# Altium PCB PCB_ControlCard.PcbDoc (part 3 of 4)
Units mm, origin at the board's own origin, x right, y up, seen from the top; angles counter-clockwise.
Board outline 116 x 133 mm, 4 copper layers (Top Layer, Inner 1, Inner 2, Bottom Layer), stack 1.492 mm thick; 342 components, 234 nets, 1133 pads, 996 vias.
Unrouted connection lines stored in the file: 23.
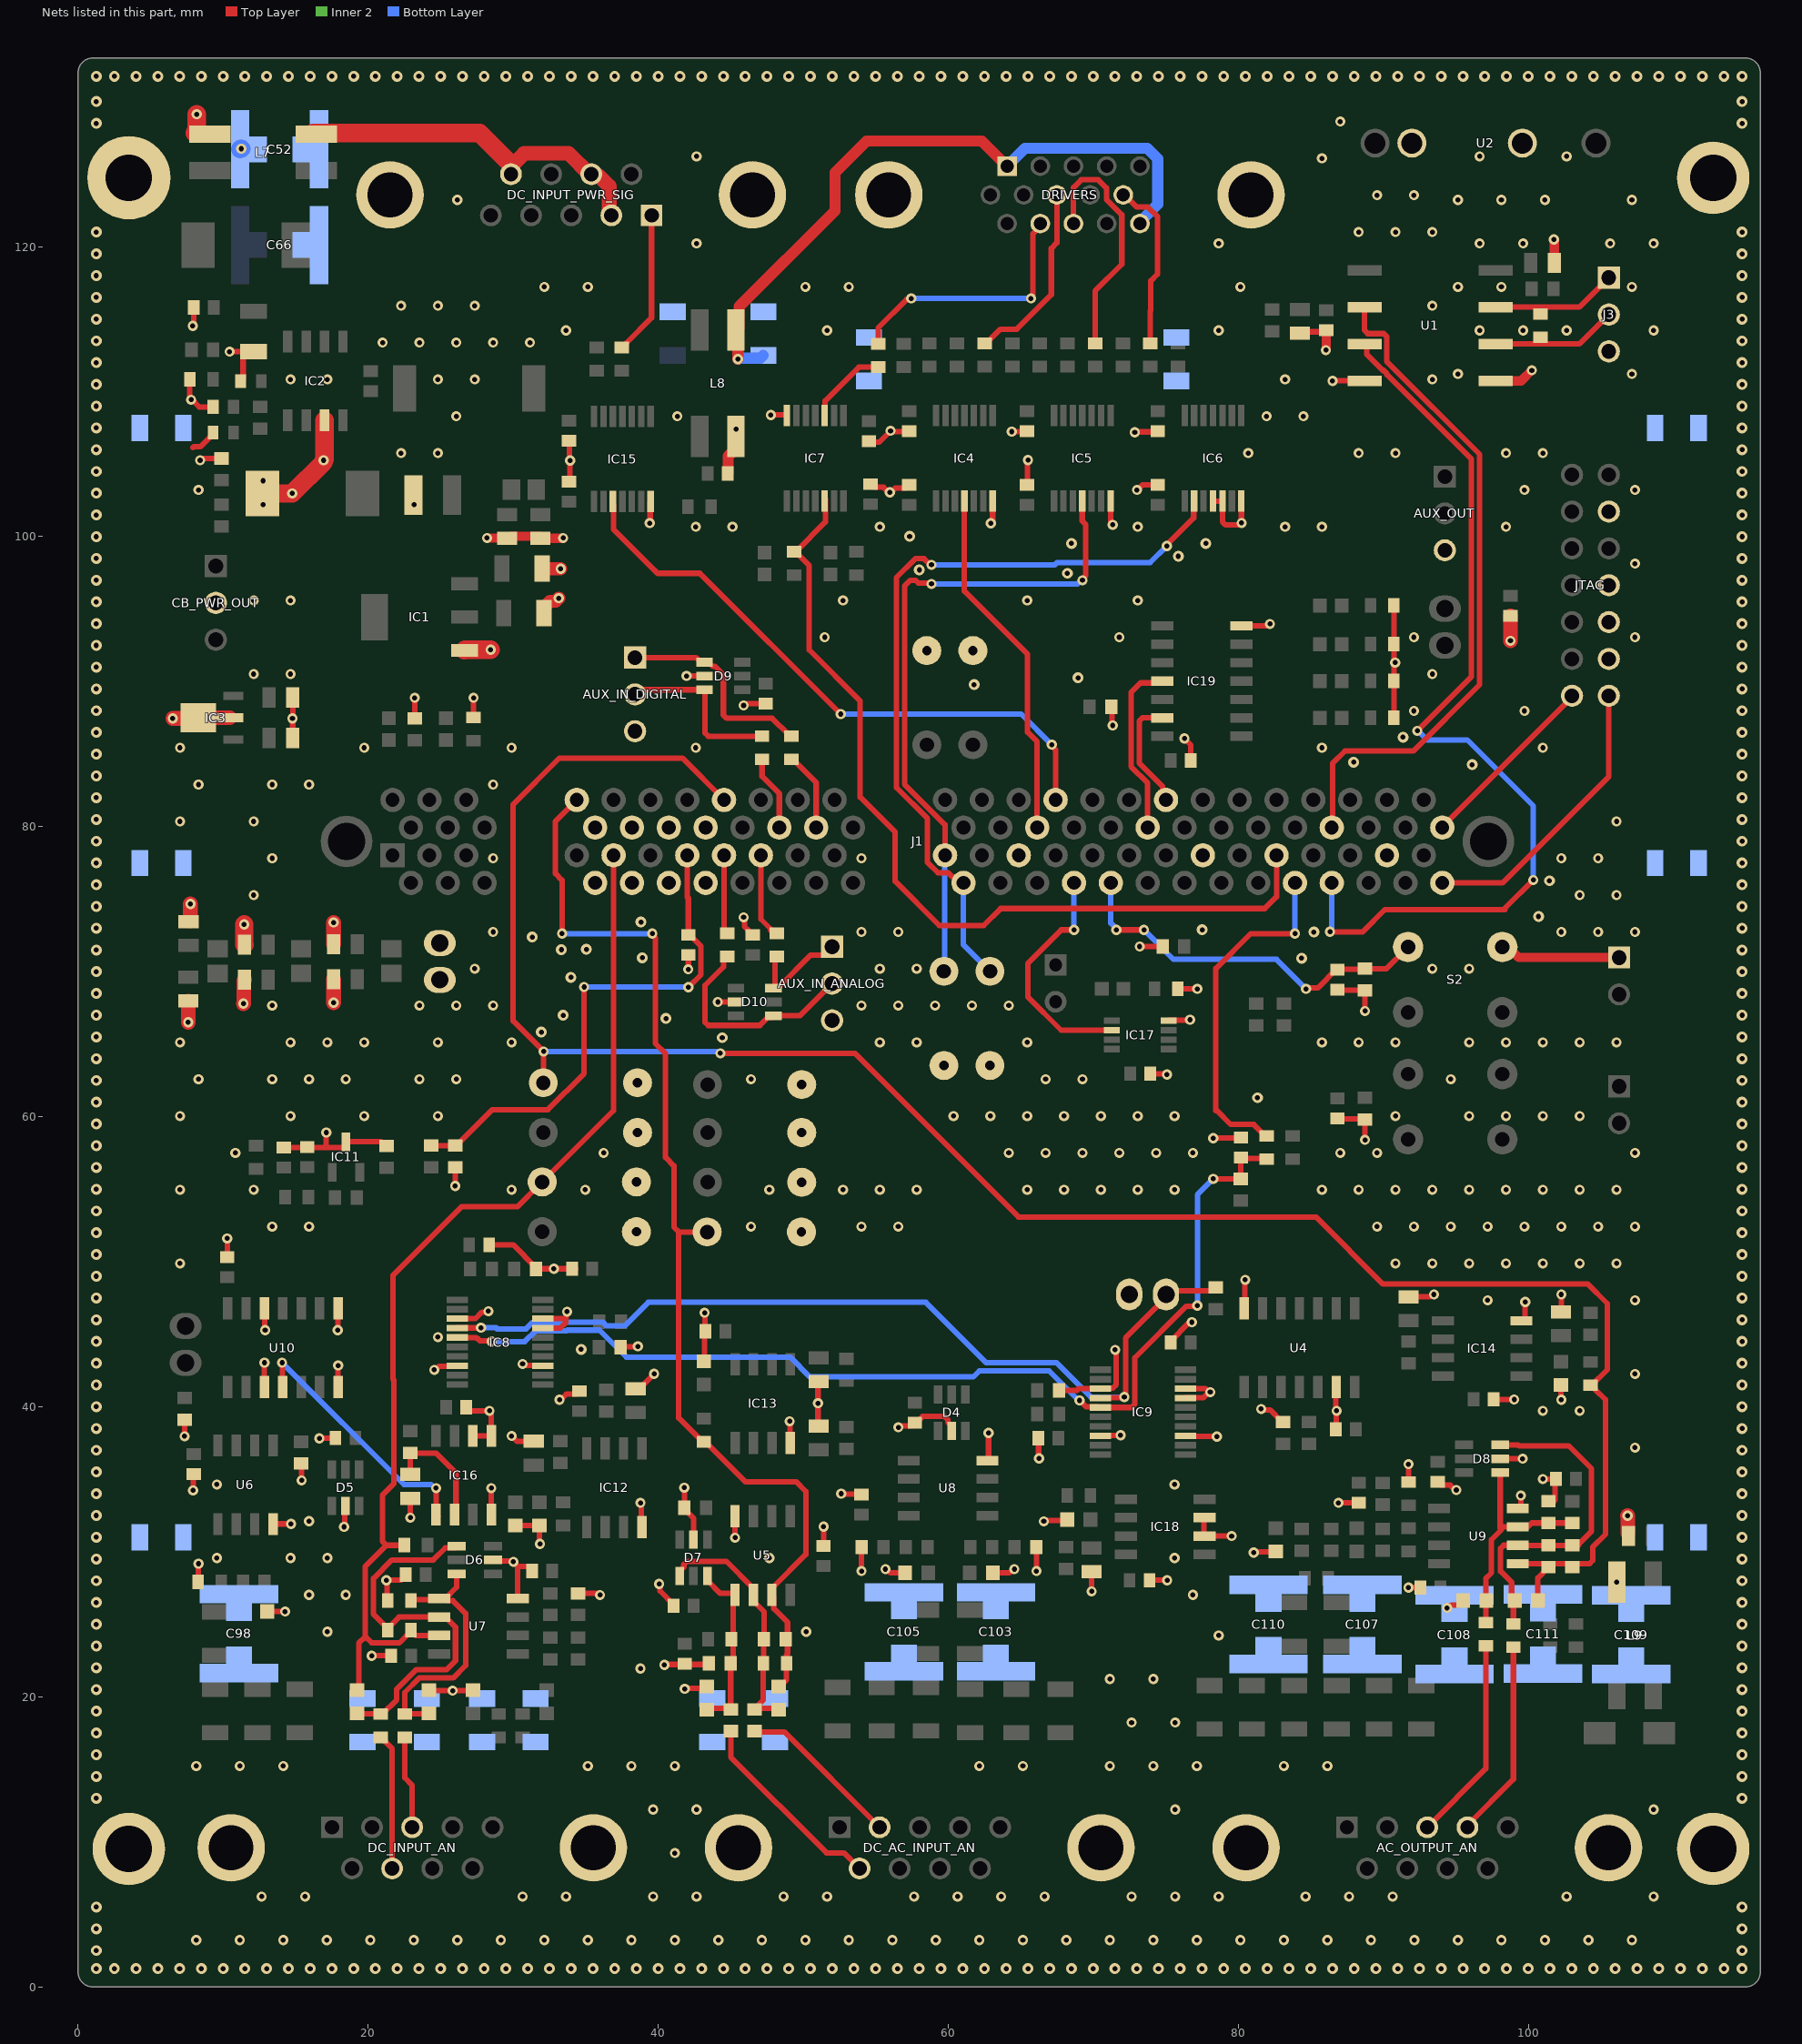
[diagram p5: the nets of this part, all layers, seen from the top]

## Via types
v1: diameter 0.75, hole 0.35, Top Layer to Bottom Layer, tented top, 338 vias
v2: diameter 0.7, hole 0.35, Top Layer to Bottom Layer, tented top, 333 vias
v3: diameter 0.7, hole 0.35, Top Layer to Bottom Layer, tented both sides, 325 vias

## Nets (pads, with @x,y where several pads share a name; then routed paths per layer and width w, separated by ;. In a path a pad name is that pad's centre, name@x,y a point inside that pad or via, vN(x,y) a via of type N, cw(c..) or ccw(c..) an arc to the next point about the centre after c; other vN are vias at no path point) (continued)
AGND: AUX_IN_ANALOG.3 AUX_IN_DIGITAL.3 AUX_OUT.3 C1.1 C2.1 C4.1 C5.1 C6.2 C7.1 C8.2 C9.2 C10.2 C11.2 C12.2 C13.2 C14.1 C15.1 C16.2 C17.2 C19.2 C20.2 C21.2 C24.2 C25.1 C26.1 C27.2 C28.2 C29.2 C31.2 C32.2 C33.2 C34.2 C35.2 C36.2 C37.2 C38.2 C39.2 C41.2 C42.2 C43.2 C44.2 C45.2 C46.1 C47.2 C48.2 C49.2 C50.2 C51.2 C52.1 C53.2 C54.2 C55.2 C56.2 C57.2 C58.2 C59.2 C60.2 C61.2 C62.2 C63.2 C64.2 C65.2 C67.2 C68.2 C69.1 C70.2 C71.2 C72.2 C73.2 C74.2 C75.2 C76.2 C77.2 C78.1 C79.1 C80.2 C81.2 C82.2 C83.2 C84.2 C85.2 C86.2 C87.2 C88.2 C89.2 C90.2 C91.2 C92.2 C93.2 C94.2 C95.2 C96.1 C97.1 C98.1 C99.1 C100.1 C101.1 C102.1 C103.1 C104.1 C105.1 C106.1 C107.1 C108.1 C109.1 C110.1 C111.1 C112.1 C114.1 C115.1 C116.1 C117.1 C120.1 C121.1 C122.2 CB_PWR_OUT.2 D3.2 D4.2 D5.2 D6.2 D7.2 D8.2 D9.2 D10.2 GND_JUMP.1 GND_JUMP.2 IC1.1 IC2.7 IC3.2 IC3.4 IC4.7 IC5.7 IC6.4 IC6.5 IC6.7 IC7.7 IC8.3 IC8.7 IC8.8 IC8.13 IC8.18 IC9.3 IC9.7 IC9.8 IC9.13 IC9.18 IC11.3 IC12.4 IC13.4 IC14.4 IC15.7 IC16.4 IC16.5 IC16.6 IC17.4 IC18.2 IC18.3 IC19.7 J1.8 J1.10 J1.12 J1.14 J1.27 J1.37 J1.47 J1.58 J1.60 J1.62 J1.64 JTAG.4 JTAG.8 JTAG.10 JTAG.12 L7.3 L8.4 L9.4 R11.1 R19.1 R25.2 R30.1 R36.2 R37.1 R39.1 R52.1 R60.1 R77.2 R78.2 R79.2 R80.2 R83.2 R87.2 R89.2 R101.1 R106.1 R107.1 R108.2 R111.1 R112.1 R113.1 R119.1 R120.2 R132.2 TP_HS1.2 TP_HS2.2 TP_IAC.2 TP_IBRDG.2 TP_IIN.2 TP_IL1.2 TP_LS1.2 TP_LS2.2 TP_VAC.2 TP_VC1.2 TP_VC1_2.2 TP_VIN.2 U1.4 U2.2 U4.7 U4.13 U5.4 U6.4 U7.4 U8.4 U9.4 U10.3 U10.7 U10.8 U10.12 WP.2 | length 277
  Top Layer w0.381: R83.2@7.334,39.112 7.335,39.111 7.335,37.968 v2(7.337,37.966) ; R39.1@7.703,110.855 7.684,110.836 7.684,109.638 7.794,109.528 v2(7.794,109.442) 7.856,109.442 8.348,108.95 9.301,108.95 C12.2@9.31,108.959 ; v2(7.906,114.537) 7.928,114.559 7.928,114.562 7.978,114.612 C9.2@7.978,115.808 ; v2(7.921,34.233) 7.945,34.257 7.945,35.338 C83.2@7.969,35.362 ; 7.921,106.14 7.982,106.201 8.425,106.201 9.3,107.076 C13.2@9.3,107.181 ; R101.1@8.264,27.908 8.283,27.927 8.283,29.159 v2(8.302,29.178) ; v2(8.414,105.267) 8.5,105.267 8.625,105.391 R37.1@9.883,105.391 ; C74.2@10.28,50.306 10.282,50.307 v2(10.283,51.606) v2(10.283,51.606) ; v2(10.446,112.76) 10.45,112.764 C5.1@11.709,112.764 ; C11.2@11.335,110.855 11.378,110.897 11.378,112.433 C5.1@11.709,112.764 ; C5.1@12.097,112.767 12.094,112.764 C5.1@11.709,112.764 ; U10.3@12.846,41.357 v2(12.846,43.037) ; U10.12@12.846,46.781 12.873,46.754 12.873,45.308 v2(12.899,45.282) ; C20.2@13.039,25.876 v2(14.271,25.876) ; U6.4@13.446,31.907 13.46,31.921 v2(14.677,31.921) v2@14.727,31.921 ; C81.2@14.065,58.023 14.203,57.885 17.113,57.885 ; v2(14.779,87.471) 14.794,87.456 14.794,86.13 C17.2@14.809,86.115 ; v2@14.809,87.553 C16.2@14.809,88.84 ; R107.1@15.386,36.08 15.4,36.066 15.4,34.932 v2(15.414,34.918) ; v2(16.633,37.814) 16.649,37.83 17.728,37.83 C89.2@17.744,37.846 ; v2(17.113,58.912) 17.113,57.885 ; v2(17.903,45.282) 17.915,45.293 17.915,46.77 U10.8@17.926,46.781 ; U10.7@17.926,41.357 17.927,41.358 v2(17.929,42.843) v2(17.929,42.843) ; v2(18.335,31.718) 18.385,31.768 18.385,33.118 D5.2@18.434,33.167 ; v2(20.24,22.828) C75.2@21.582,22.828 ; R87.2@21.304,57.896 21.263,57.896 20.888,58.271 IC11.3@18.469,58.271 18.469,57.995 18.36,57.885 17.113,57.885 ; R30.1@21.345,26.638 21.301,26.682 21.301,27.991 v2(21.256,28.035) 22.272,28.035 22.348,28.112 22.383,28.112 22.653,28.381 C88.2@22.653,28.416 ; v2(22.907,32.353) C63.2@22.907,33.692 ; C4.1@23.134,102.858 23.134,102.23 v2(23.161,102.203) ; R112.1@23.209,87.475 v2(23.209,88.884) ; C21.2@24.177,20.453 24.196,20.434 25.809,20.434 v2(25.828,20.415) 25.847,20.434 27.206,20.434 C26.1@27.225,20.415 ; v2(24.558,42.546) 24.644,42.546 24.889,42.79 26.13,42.79 IC8.18@26.164,42.825 ; v2(26.003,55.229) R132.2@26.003,56.511 ; IC8.13@26.164,46.075 26.169,46.08 27.395,46.08 27.847,46.532 28.228,46.532 v2(28.289,46.593) ; C24.2@26.987,39.719 v2(28.368,39.719) 28.368,39.633 28.495,39.506 28.495,38.047 28.556,37.986 IC16.5@28.495,37.986 IC16.6@27.247,37.986 ; R113.1@27.273,87.525 v2(27.273,88.884) ; C59.2@28.344,51.165 30.003,51.165 31.579,49.589 R78.2@31.579,49.514 v2(32.81,49.514) ; v2(28.495,34.385) 28.495,32.661 IC16.4@28.594,32.562 ; D6.2@28.602,29.432 28.668,29.366 29.958,29.366 v2(30.019,29.305) 30.318,29.006 ; v2(29.892,37.985) 29.896,37.985 30.263,37.618 C72.2@31.416,37.618 ; C44.2@30.146,31.807 C45.2@31.797,31.807 ; U7.4@30.318,26.765 30.318,29.006 ; v2(30.652,42.952) 30.738,42.952 30.83,42.86 32.006,42.86 IC8.3@32.04,42.825 ; C94.2@31.306,28.686 31.306,28.76 31.091,28.975 30.349,28.975 30.318,29.006 ; v2(31.849,30.54) 31.823,30.566 31.823,31.781 C45.2@31.797,31.807 ; C45.2@31.924,31.845 31.886,31.807 C45.2@31.797,31.807 ; IC8.7@32.04,45.425 33.252,45.425 33.613,45.786 33.613,46.107 ; IC8.8@32.04,46.075 33.581,46.075 33.613,46.107 ; v2@32.861,49.514 C61.2@34.076,49.514 C61.2@34.33,49.514 ; v2(33.194,40.481) 33.28,40.481 33.661,40.862 34.349,40.862 C27.2@34.563,41.076 ; v2(33.715,46.559) 33.653,46.498 33.653,46.148 33.613,46.107 ; C38.2@33.846,106.609 33.885,106.569 33.885,105.291 v2(33.925,105.251) ; v2@33.91,105.267 33.91,103.934 C37.2@34.1,103.743 ; R36.2@34.464,27.134 35.787,27.134 35.902,27.019 v2(35.988,27.019) ; R77.2@37.42,44.104 37.45,44.134 38.574,44.134 v2(38.604,44.164) ; C67.2@38.448,41.241 38.688,41.241 39.719,42.272 v2(39.719,42.275) ; v2(38.782,33.369) 38.832,33.319 38.832,31.754 IC12.4@38.881,31.705 ; v2(39.417,100.933) 39.448,100.964 39.448,102.39 IC15.7@39.479,102.421 ; v2(40.068,27.78) 40.129,27.719 40.129,27.295 41.061,26.363 C86.2@41.061,26.273 ; v2(40.433,22.193) 40.469,22.229 41.794,22.229 C95.2@41.83,22.265 41.866,22.229 43.318,22.229 R11.1@43.354,22.193 ; v2(41.802,34.417) 41.808,34.411 41.808,33.026 R106.1@41.814,33.02 ; v2(41.83,20.542) 41.863,20.575 43.322,20.575 C25.1@43.354,20.607 ; R106.1@41.866,32.893 42.437,32.322 D7.2@42.437,30.841 ; v2(41.957,90.392) D9.2@43.197,90.392 ; v2(42.077,70.166) 42.081,70.17 42.081,71.156 C93.2@42.084,71.16 ; C50.2@43.147,43.126 43.209,43.188 43.209,45.202 C34.2@43.199,45.212 ; v2(43.199,46.482) 43.235,46.446 43.235,45.248 C34.2@43.271,45.212 ; v2(44.116,67.913) D10.2@45.356,67.913 ; U5.4@45.299,32.456 45.303,32.452 45.303,30.976 v2(45.307,30.972) ; v2(45.894,73.755) 45.955,73.694 45.955,73.114 46.224,72.845 46.224,72.755 46.439,72.54 C122.2@46.529,72.54 ; v2(45.894,88.36) 45.98,88.36 46.107,88.487 C6.2@47.418,88.487 ; v2(47.771,108.391) 48.846,108.391 48.88,108.357 IC7.7@48.88,108.351 ; v2(49.069,39.001) 49.093,38.977 49.093,37.536 IC13.4@49.116,37.512 ; C64.2@51.073,38.666 51.022,38.717 v2(51.022,40.243) 51.022,41.605 C71.2@51.073,41.656 ; C80.2@51.403,30.392 v2(51.403,31.734) ; v2(52.625,34.004) 52.661,33.968 53.986,33.968 C77.2@54.022,33.932 ; v2(54.022,28.67) 54.028,28.676 54.028,30.315 R108.2@54.034,30.321 ; C58.2@54.323,106.521 55.248,106.521 v2(56.026,107.299) ; C57.2@54.64,103.618 54.855,103.403 55.543,103.403 55.848,103.098 v2@55.848,102.981 ; v2(55.673,28.797) 55.759,28.797 56.013,28.543 C29.2@57.032,28.543 ; v2(55.975,103.057) 56.061,103.057 56.352,103.348 57.093,103.348 C42.2@57.307,103.563 ; v2@56.026,107.235 57.207,107.235 C43.2@57.245,107.197 ; v2(56.562,38.576) 56.648,38.576 56.76,38.687 57.49,38.687 C84.2@57.705,38.902 ; C84.2@57.75,38.857 58.228,39.335 59.748,39.335 59.963,39.12 59.963,38.949 60.245,38.667 D4.2@60.245,38.342 ; U8.4@62.703,36.29 62.785,36.372 v2(62.785,38.195) ; v2(62.942,100.921) 62.942,101.008 63.067,101.133 IC4.7@63.067,102.475 ; C28.2@63.077,28.543 64.223,28.543 64.477,28.797 v2(64.563,28.797) ; v2(64.379,107.243) 64.389,107.253 65.425,107.253 C48.2@65.435,107.263 ; C47.2@65.435,103.563 65.468,103.595 65.468,105.246 v2(65.5,105.279) ; R89.2@66.075,30.321 66.081,30.315 66.081,28.676 v2(66.087,28.67) ; C60.2@66.207,37.83 66.235,37.802 66.235,36.461 v2(66.262,36.433) ; v2(66.595,32.099) 66.656,32.16 68.142,32.16 C90.2@68.208,32.226 ; R80.2@67.647,41.132 68.87,41.132 68.987,41.249 IC9.13@70.487,41.249 70.501,41.249 IC9.13@70.532,41.218 ; v2(69.897,27.273) C70.2@69.897,28.612 ; IC9.18@70.487,37.999 70.508,38.02 71.866,38.02 v2(71.887,38.04) ; IC9.13@70.494,41.256 70.522,41.284 71.355,41.284 71.593,41.521 71.593,43.76 71.513,43.84 v2(71.513,43.926) ; IC5.7@71.195,102.475 71.195,101.055 71.342,100.908 v2(71.342,100.822) ; R60.1@71.254,88.265 71.298,88.221 71.298,87.023 v2(71.342,86.979) ; v2(72.866,107.192) 72.901,107.227 74.417,107.227 C55.2@74.452,107.263 ; v2(73.018,103.223) 73.049,103.223 73.389,103.563 C53.2@74.452,103.563 ; v2(73.203,71.739) R120.2@74.783,71.739 ; C46.1@73.889,28.035 v2(75.104,28.035) ; C54.2@73.937,62.976 73.969,62.944 75.057,62.944 v2(75.089,62.913) ; IC17.4@75.197,66.618 75.232,66.653 75.748,66.653 75.754,66.659 76.649,66.659 v2(76.676,66.686) ; C62.2@75.351,44.434 75.351,44.524 76.597,45.77 76.742,45.77 v2(76.803,45.831) ; R119.1@75.825,68.818 v2(77.177,68.818) ; IC9.8@76.027,41.259 77.733,41.259 v2@77.987,41.005 ; v2(76.295,86.09) 76.295,86.069 76.731,85.633 C92.2@76.731,84.566 ; IC9.3@76.363,37.999 76.392,37.97 78.504,37.97 v2(78.533,37.941) ; IC9.7@76.363,40.599 76.398,40.634 77.615,40.634 v2@77.987,41.005 ; IC18.3@77.644,32.353 77.644,31.128 IC18.2@77.689,31.083 v2(79.549,31.083) ; v2(78.072,41.007) 77.988,41.007 v2@77.987,41.005 ; IC6.4@78.262,102.475 78.28,102.457 IC6.5@78.912,102.457 ; v2(78.279,58.515) 78.307,58.543 80.156,58.543 C65.2@80.184,58.57 ; IC6.5@78.912,102.475 IC6.5@78.912,102.457 ; IC6.7@80.212,102.475 80.222,102.465 80.222,100.959 v2(80.232,100.949) ; IC19.7@80.214,93.853 81.975,93.853 82.102,93.98 v2(82.188,93.98) ; v2@80.311,100.806 79.135,100.806 78.912,101.029 IC6.5@78.912,102.457 ; U4.7@80.41,46.781 80.448,46.819 80.448,48.714 v2(80.486,48.752) ; v2(81.073,29.94) 81.118,29.985 82.553,29.985 C35.2@82.597,30.029 ; v2(81.581,39.846) 81.642,39.785 82.19,39.785 83.03,38.945 R79.2@83.105,38.945 ; C41.2@84.245,114.023 84.348,114.126 85.916,114.126 C39.2@85.947,114.157 ; v2(86.506,110.744) U1.4@88.712,110.744 ; C56.2@86.733,38.449 86.76,38.477 86.76,39.572 86.781,39.592 v2@86.788,39.592 ; v2@86.735,39.506 86.735,41.331 U4.13@86.76,41.357 ; C49.2@86.836,59.873 86.866,59.843 88.445,59.843 R52.1@88.608,59.68 ; C91.2@86.836,68.763 86.866,68.733 R111.1@88.529,68.733 ; v2(86.915,33.369) C36.2@88.312,33.369 ; v2(88.741,58.404) R52.1@88.741,59.813 ; v2(88.741,67.294) R111.1@88.741,68.703 ; v2(91.741,27.527) C76.2@92.575,27.527 ; R25.2@91.741,34.804 v2(91.741,36.036) ; C68.2@91.75,47.57 91.758,47.578 93.25,47.578 93.414,47.742 v2(93.5,47.742) ; C87.2@93.75,34.81 93.965,34.595 94.619,34.595 94.957,34.258 v2(95.043,34.258) ; v2(94.408,26.13) 94.494,26.13 94.693,26.328 95.228,26.328 95.513,26.613 C85.2@95.513,26.638 ; C19.2@97.61,40.513 97.618,40.505 99.02,40.505 v2(99.028,40.497) ; D8.2@98.071,36.417 v2(99.615,36.417) ; v2(99.488,33.877) 99.488,33.033 U9.4@99.533,32.988 ; IC14.4@99.724,45.922 99.79,45.988 v2(99.79,47.228) ; v2(101.012,35.02) C33.2@101.901,35.02 ; R19.1@101.083,33.719 R19.1@101.355,33.447 ; R19.1@101.774,33.484 101.846,33.556 101.846,34.838 C33.2@101.901,34.893 ; C73.2@102.014,46.54 C73.2@102.254,46.54 102.282,46.568 v2(102.282,47.742) ; C51.2@102.254,41.491 102.268,41.477 102.268,40.495 v2(102.282,40.481) ; C7.1@106.914,31.074 C7.1@106.923,31.083
  Top Layer w0.635: v2(28.194,99.913) 28.205,99.902 29.58,99.902 C14.1@29.591,99.891 ; C14.1@29.914,100.018 C15.1@31.877,100.018 ; C15.1@31.877,99.891 v2@33.441,99.891 ; v2(86.049,112.862) 86.049,112.879 86.074,112.905 C39.2@86.074,114.157
  Top Layer w0.762: C32.2@44.806,104.362 44.83,104.386 44.83,105.549 45.386,106.105 L8.4@45.386,106.267
  Top Layer w0.889: C8.2@31.997,97.79 v2(33.274,97.79) ; C10.2@32.124,94.742 32.124,95.127 32.543,95.546 32.935,95.546 v2(33.147,95.758)
  Top Layer w1.016: v2(6.524,87.471) 8.232,87.471 IC3.4@8.274,87.512 ; v2(7.591,66.516) C97.1@7.591,67.982 ; C96.1@7.743,73.51 v2(7.743,74.669) ; IC3.4@8.401,87.512 IC3.2@10.449,87.512 ; v2(11.398,67.802) 11.414,67.818 11.414,69.4 C2.1@11.467,69.453 ; C79.1@17.607,69.472 17.621,69.458 v2(17.621,67.868) ; C78.1@17.607,71.885 17.621,71.899 v2(17.621,73.39) ; v2(98.774,92.821) C31.2@98.774,94.544 ; v2(106.854,32.48) 106.87,32.464 C7.1@106.87,31.27
  Top Layer w1.27: L7.3@8.056,127.837 8.14,127.837 8.175,127.872 v2(8.175,129.127) ; v2(11.449,73.263) 11.449,71.884 C1.1@11.467,71.866 ; v2(12.747,102.203) 12.711,102.239 D3.2@12.711,102.981 v2(14.764,102.981) 16.923,105.14 v2(16.923,105.267) 16.995,105.339 IC2.7@16.995,108.025 ; IC1.1@26.638,92.158 26.682,92.202 v2(28.448,92.202)
  Inner 2 w0.381: v2(26.003,55.229) v2@26.003,55.356
  Bottom Layer w1.27: C52.1@11.17,126.714 11.206,126.75 v2(11.25,126.75)
  other v1: 34.693,43.961 81.327,61.309 44.421,65.449 31.949,65.83 40.541,66.77 33.448,66.999 33.981,69.615 84.375,70.936 38.909,70.961 33.321,71.52 35.048,71.545 31.314,72.383 85.213,72.739 77.517,72.891 38.807,73.425 100.707,73.806 101.469,76.27 96.135,84.271 87.956,84.448 91.36,86.176 61.787,89.79 68.957,90.265 68.221,97.472 58.014,97.709 75.866,98.647 68.5,99.536 77.771,99.536 57.342,100.026
  other v2: 106.092,27.908 86.788,39.719 33.444,99.913 12.747,103.854 45.386,107.41
  other v3: 38.779,21.944 17.189,24.484 50.209,24.484 15.919,27.024 18.459,27.024 76.879,27.024 9.569,29.564 14.649,29.564 17.189,29.564 47.669,29.564 75.609,29.564 15.919,32.104 9.569,34.644 75.609,34.644 107.359,37.184 101.009,39.724 103.549,39.724 107.359,42.264 24.809,44.804 97.199,47.344 107.359,47.344 7.029,49.884 90.849,49.884 93.389,49.884 95.929,49.884 98.469,49.884 101.009,49.884 103.549,49.884 106.089,49.884 13.379,52.424 15.919,52.424 46.399,52.424 54.019,52.424 56.559,52.424 89.579,52.424 92.119,52.424 94.659,52.424 97.199,52.424 99.739,52.424 102.279,52.424 104.819,52.424 107.359,52.424 7.029,54.964 12.109,54.964 29.889,54.964 34.969,54.964 47.669,54.964 52.749,54.964 55.289,54.964 57.829,54.964 65.449,54.964 67.989,54.964 70.529,54.964 73.069,54.964 75.609,54.964 85.769,54.964 88.309,54.964 90.849,54.964 93.389,54.964 95.929,54.964 98.469,54.964 101.009,54.964 103.549,54.964 106.089,54.964 10.839,57.504 36.239,57.504 64.179,57.504 66.719,57.504 69.259,57.504 71.799,57.504 74.339,57.504 76.879,57.504 87.039,57.504 89.579,57.504 107.359,57.504 7.029,60.044 14.649,60.044 19.729,60.044 24.809,60.044 60.369,60.044 62.909,60.044 65.449,60.044 67.989,60.044 70.529,60.044 73.069,60.044 75.609,60.044 90.849,60.044 95.929,60.044 98.469,60.044 101.009,60.044 103.549,60.044 8.299,62.584 13.379,62.584 15.919,62.584 18.459,62.584 23.539,62.584 26.079,62.584 46.399,62.584 66.719,62.584 69.259,62.584 94.659,62.584 7.029,65.124 14.649,65.124 17.189,65.124 19.729,65.124 24.809,65.124 29.889,65.124 55.289,65.124 57.829,65.124 65.449,65.124 85.769,65.124 88.309,65.124 90.849,65.124 95.929,65.124 98.469,65.124 101.009,65.124 103.549,65.124 106.089,65.124 13.379,67.664 23.539,67.664 26.079,67.664 28.619,67.664 54.019,67.664 56.559,67.664 59.099,67.664 61.639,67.664 64.179,67.664 27.349,70.204 55.289,70.204 57.829,70.204 93.389,70.204 95.929,70.204 28.619,72.744 54.019,72.744 56.559,72.744 102.279,72.744 104.819,72.744 107.359,72.744 12.109,75.284 103.549,75.284 106.089,75.284 13.379,77.824 28.619,77.824 54.019,77.824 102.279,77.824 104.819,77.824 7.029,80.364 12.109,80.364 106.089,80.364 8.299,82.904 13.379,82.904 15.919,82.904 28.619,82.904 7.029,85.444 19.729,85.444 29.889,85.444 42.589,85.444 85.769,85.444 101.009,85.444 92.119,87.984 99.739,87.984 12.109,90.524 14.649,90.524 93.389,90.524 51.479,93.064 71.799,93.064 92.119,93.064 107.359,93.064 12.109,95.604 14.649,95.604 52.749,95.604 65.449,95.604 73.069,95.604 107.359,98.144 42.589,100.684 45.129,100.684 55.289,100.684 73.069,100.684 83.229,100.684 85.769,100.684 98.469,100.684 8.299,103.224 99.739,103.224 107.359,103.224 22.269,105.764 24.809,105.764 80.689,105.764 88.309,105.764 90.849,105.764 98.469,105.764 101.009,105.764 26.079,108.304 41.319,108.304 81.959,108.304 84.499,108.304 14.649,110.844 17.189,110.844 24.809,110.844 27.349,110.844 83.229,110.844 93.389,110.844 20.999,113.384 23.539,113.384 26.079,113.384 28.619,113.384 31.159,113.384 22.269,115.924 24.809,115.924 27.349,115.924 93.389,115.924 88.309,121.004 90.849,121.004 93.389,121.004 89.579,123.544 92.119,123.544 85.769,126.084 87.039,128.624
AN_VREF_FB: C93.1 J1.13 R131.2 R132.1 | length 35.3
  Top Layer w0.381: R131.2@24.352,58.011 R132.1@25.761,58.011 ; R132.1@26.003,58.011 26.078,58.011 28.551,60.484 32.401,60.484 34.893,62.976 v2(34.893,68.945) ; J1.13@42.004,78.029 42.004,75.132 42.084,75.053 C93.1@42.084,72.54 ; v2(42.084,68.929) 42.947,69.792 42.947,71.767 C93.1@42.229,72.485
  Bottom Layer w0.381: v2(34.893,68.945) 34.901,68.937 42.076,68.937 v2(42.084,68.929)
AUX_IN_1: J1.70 R68.1 | length 5.4
  Top Layer w0.381: R68.1@49.196,84.55 49.385,84.55 50.894,83.041 J1.70@50.894,79.939
AUX_IN_2: J1.68 R73.1 | length 5.1
  Top Layer w0.381: R73.1@47.164,84.55 47.164,83.47 48.354,82.28 J1.68@48.354,79.939
AUX_IN_AN_1: J1.17 R105.1 | length 5.6
  Top Layer w0.381: J1.17@47.037,77.819 47.084,77.772 47.084,73.619 47.743,72.96 47.743,72.86 47.953,72.65 R105.1@48.053,72.65
AUX_IN_AN_2: J1.15 R121.1 | length 5.4
  Top Layer w0.381: J1.15@44.497,77.819 44.544,77.772 44.544,72.86 44.712,72.692 R121.1@44.854,72.692
AUX_IN_AN_RAW_1: AUX_IN_ANALOG.1 D10.6 R105.2 | length 7
  Top Layer w0.381: R105.2@47.926,71.088 48.053,70.961 D10.6@48.053,68.96 ; D10.6@48.307,68.929 48.307,68.939 50.517,71.149 51.416,71.149 AUX_IN_ANALOG.1@51.99,71.723
AUX_IN_AN_RAW_2: AUX_IN_ANALOG.2 D10.4 R121.2 | length 14.9
  Top Layer w0.381: R121.2@44.751,71.007 44.68,71.007 44.513,70.84 44.513,70.342 43.227,69.056 43.227,66.518 43.45,66.295 47.013,66.295 47.571,66.854 47.847,66.854 D10.4@47.956,66.963 ; D10.4@48.241,66.963 49.77,66.963 AUX_IN_ANALOG.2@51.99,69.183
AUX_IN_RAW_1: AUX_IN_DIGITAL.1 D9.1 R68.2 | length 14.4
  Top Layer w0.381: AUX_IN_DIGITAL.1@38.401,91.662 42.602,91.662 42.856,91.408 D9.1@43.1,91.408 ; D9.1@43.197,91.342 43.472,91.342 43.754,91.06 43.925,91.06 44.497,90.488 44.497,87.694 44.72,87.471 47.864,87.471 49.007,86.328 R68.2@49.069,86.328
AUX_IN_RAW_2: AUX_IN_DIGITAL.2 D9.3 R73.2 | length 11.9
  Top Layer w0.381: AUX_IN_DIGITAL.2@38.401,88.995 38.585,88.995 39.032,89.442 D9.3@43.197,89.442 ; D9.3@43.227,89.376 43.227,86.462 43.45,86.239 R73.2@47.164,86.239
AUX_OUT_1: IC19.13 J1.85 | length 7.8
  Top Layer w0.381: IC19.13@74.695,87.503 73.394,87.503 73.171,87.28 73.171,84.388 74.776,82.783 74.776,82.092 J1.85@75.024,81.844
AUX_OUT_2: IC19.11 J1.84 | length 12.1
  Top Layer w0.381: J1.84@73.806,80.137 73.754,80.189 73.754,83.015 72.612,84.157 72.612,89.261 73.267,89.916 74.637,89.916 IC19.11@74.764,90.043
CAN-RX: J1.44 U1.3 | length 65.5
  Top Layer w0.381: v2(86.328,72.755) 88.587,72.755 90.111,74.279 98.393,74.279 98.393,74.371 v2(100.349,76.327) ; U1.3@88.712,113.284 88.851,113.145 88.851,112.586 89.975,111.462 90.04,111.462 90.255,111.247 90.255,111.182 96.082,105.355 96.082,90.348 v2(92.348,86.614)
  Bottom Layer w0.381: v2(86.328,72.755) 86.328,72.841 86.454,72.968 J1.44@86.454,76.124 ; v2(92.348,86.614) 92.388,86.614 93.019,85.982 95.795,85.982 100.349,81.428 v2(100.349,76.327)
CAN-TX: J1.94 U1.2 | length 46.8
  Top Layer w0.381: J1.94@86.454,79.939 86.518,80.002 86.518,84.381 87.357,85.22 92.069,85.22 96.64,89.792 96.64,105.686 90.255,112.071 90.255,113.787 90.04,114.002 88.935,114.002 88.712,114.225 U1.2@88.712,115.824
CANH: J3.1 R4.2 U1.7 | length 8.9
  Top Layer w0.381: U1.7@97.762,115.824 103.524,115.824 J3.1@105.556,117.856 105.683,117.983 J3.1@105.81,117.983
CANL: J3.2 R4.1 U1.6 | length 8.5
  Top Layer w0.381: U1.6@97.762,113.284 103.524,113.284 105.302,115.062 J3.2@105.302,115.316
CLEAR_BTN: C91.1 CLEAR_BTN_EXT.1 J1.32 R111.2 S2.1 | length 34.9
  Top Layer w0.381: v2(71.596,72.882) v2(73.501,72.882) ; v2(84.677,68.818) 84.738,68.879 85.482,68.879 86.776,70.173 R111.2@88.699,70.173 ; R111.2@88.741,70.203 90.214,70.203 91.623,71.612 S2.1@91.789,71.612
  Top Layer w0.635: S2.1@98.139,71.612 98.701,71.612 99.336,70.977 CLEAR_BTN_EXT.1@106.267,70.977
  Bottom Layer w0.381: J1.32@71.342,76.184 71.214,76.056 71.214,73.35 71.596,72.968 v2(71.596,72.882) ; v2(73.501,72.882) 75.533,70.85 82.645,70.85 v2(84.677,68.818)
CLR_FAULT: IC17.6 J1.30 | length 16.4
  Top Layer w0.381: v2(68.675,72.882) 67.797,72.882 65.5,70.585 65.5,68.252 67.784,65.968 IC17.6@71.297,65.968
  Bottom Layer w0.381: J1.30@68.421,75.93 68.675,75.676 v2@68.675,72.882
DC_IN_SW: IC15.3 J1.79 | length 42
  Top Layer w0.381: IC15.3@36.936,102.203 36.936,100.493 39.798,97.631 39.954,97.475 42.879,97.475 v2(52.59,87.764) ; v2(67.143,85.657) 67.143,85.571 67.404,85.31 J1.79@67.404,81.844
  Bottom Layer w0.381: v2(52.59,87.764) 65.036,87.764 v2(67.143,85.657)
DC_IN_SW_5V: DC_INPUT_PWR_SIG.1 R103.2 | length 10
  Top Layer w0.381: R103.2@37.5,113.05 37.6,113.05 37.81,113.26 37.81,113.36 39.544,115.094 DC_INPUT_PWR_SIG.1@39.544,122.158
DGND_RAW: DC_INPUT_PWR_SIG.2 DC_INPUT_PWR_SIG.7 DC_INPUT_PWR_SIG.9 L7.4 | length 25.9
  Top Layer w1.016: DC_INPUT_PWR_SIG.9@29.849,124.998 29.942,125.091 29.942,125.621 30.755,126.434 33.822,126.434 35.258,124.998 DC_INPUT_PWR_SIG.7@35.389,124.998 35.482,124.905 35.878,124.905 36.623,124.161 36.623,122.651 36.681,122.593 36.681,122.251 DC_INPUT_PWR_SIG.2@36.774,122.158
  Top Layer w1.27: L7.4@16.196,127.837 27.68,127.837 28.907,126.61 29.805,125.712 29.805,125.042 DC_INPUT_PWR_SIG.9@29.849,124.998
DPOT_RESET: C65.1 IC8.15 IC9.15 R54.1 R61.2 | length 73.1
  Top Layer w0.381: IC8.15@26.164,44.775 27.44,44.775 27.531,44.684 27.572,44.684 27.7,44.555 28.459,44.555 v2(28.52,44.494) ; v2(69.056,40.437) 69.075,40.437 69.523,39.989 IC9.15@70.326,39.989 ; IC9.15@70.487,39.949 72.643,39.949 72.866,40.172 72.866,43.37 76.438,46.941 77.151,46.941 v2(77.184,46.974) ; v2(78.279,55.721) 78.285,55.715 R61.2@80.178,55.715 ; C65.1@79.93,57.372 C65.1@80.148,57.154 ; R61.2@80.184,55.709 C65.1@80.184,57.118 ; C65.1@80.184,57.19 80.239,57.135 81.818,57.135 R54.1@81.835,57.118
  Bottom Layer w0.381: v2(28.52,44.494) 30.802,44.494 31.537,45.229 33.688,45.229 33.741,45.282 35.95,45.282 37.814,43.418 49.097,43.418 50.45,42.065 61.734,42.065 62.142,42.474 66.953,42.474 68.989,40.437 v2(69.056,40.437) ; v2(77.184,46.974) 77.184,54.626 v2(78.279,55.721)
DPOT_RESET_CLEAN: J1.42 R54.2 | length 23.9
  Top Layer w0.381: 78.454,60.42 78.454,70.215 80.867,72.628 v2(83.915,72.628) ; 78.533,60.42 79.484,59.469 81.073,59.469 81.862,58.68 R54.2@81.962,58.68
  Bottom Layer w0.381: v2@83.915,72.628 83.915,75.93 J1.42@84.042,76.057
DPOT_WP: IC8.14 IC9.14 R74.2 WP.1 | length 63.4
  Top Layer w0.381: IC8.14@26.164,45.425 26.177,45.438 27.769,45.438 v2(27.781,45.45) ; IC9.14@70.487,40.599 70.521,40.633 72.114,40.633 v2(72.148,40.667) ; v2@72.095,40.633 72.129,40.599 72.231,40.701 72.231,44.742 75.025,47.536 WP.1@75.025,47.736 75.287,47.998 78.208,47.998 R74.2@78.454,48.244
  Bottom Layer w0.381: v2(27.781,45.45) 28.82,45.45 28.904,45.367 30.884,45.367 31.305,45.787 33.457,45.787 33.51,45.84 36.182,45.84 36.445,45.577 37.687,45.577 39.31,47.2 58.455,47.2 62.623,43.032 67.477,43.032 69.842,40.667 v2(72.148,40.667)
EARTH: AC_OUTPUT_AN.MH1 AC_OUTPUT_AN.MH2 C52.2 C66.2 C69.2 C98.2 C99.2 C100.2 C101.2 C102.2 C103.2 C104.2 C105.2 C106.2 C107.2 C108.2 C109.2 C110.2 C111.2 C112.2 C114.2 C115.2 C116.2 C117.2 C118.2 C119.2 C120.2 C121.2 DC_AC_INPUT_AN.MH1 DC_AC_INPUT_AN.MH2 DC_INPUT_AN.MH1 DC_INPUT_AN.MH2 DC_INPUT_PWR_SIG.MH1 DC_INPUT_PWR_SIG.MH2 DRIVERS.MH1 DRIVERS.MH2 pad.2
  other v1: 1.25,1.25 2.5,1.25 4,1.25 5.5,1.25 7,1.25 8.5,1.25 10,1.25 11.5,1.25 13,1.25 14.5,1.25 16,1.25 17.5,1.25 19,1.25 20.5,1.25 22,1.25 23.5,1.25 25,1.25 26.5,1.25 28,1.25 29.5,1.25 31,1.25 32.5,1.25 34,1.25 35.5,1.25 37,1.25 38.5,1.25 40,1.25 41.5,1.25 43,1.25 44.5,1.25 46,1.25 47.5,1.25 49,1.25 50.5,1.25 52,1.25 53.5,1.25 55,1.25 56.5,1.25 58,1.25 59.5,1.25 61,1.25 62.5,1.25 64,1.25 65.5,1.25 67,1.25 68.5,1.25 70,1.25 71.5,1.25 73,1.25 74.5,1.25 76,1.25 77.5,1.25 79,1.25 80.5,1.25 82,1.25 83.5,1.25 85,1.25 86.5,1.25 88,1.25 89.5,1.25 91,1.25 92.5,1.25 94,1.25 95.5,1.25 97,1.25 98.5,1.25 100,1.25 101.5,1.25 103,1.25 104.5,1.25 106,1.25 107.5,1.25 109,1.25 110.5,1.25 112,1.25 113.5,1.25 114.75,1.25 1.25,2.5 114.75,2.5 1.25,4 114.75,4 1.25,5.5 114.75,5.5 1.25,13 114.75,13 1.25,14.5 114.75,14.5 1.25,16 114.75,16 1.25,17.5 114.75,17.5 1.25,19 114.75,19 1.25,20.5 114.75,20.5 1.25,22 114.75,22 1.25,23.5 114.75,23.5 1.25,25 114.75,25 1.25,26.5 114.75,26.5 1.25,28 114.75,28 1.25,29.5 114.75,29.5 1.25,31 114.75,31 1.25,32.5 114.75,32.5 1.25,34 114.75,34 1.25,35.5 114.75,35.5 1.25,37 114.75,37 1.25,38.5 114.75,38.5 1.25,40 114.75,40 1.25,41.5 114.75,41.5 1.25,43 114.75,43 1.25,44.5 114.75,44.5 1.25,46 114.75,46 1.25,47.5 114.75,47.5 1.25,49 114.75,49 1.25,50.5 114.75,50.5 1.25,52 114.75,52 1.25,53.5 114.75,53.5 1.25,55 114.75,55 1.25,56.5 114.75,56.5 1.25,58 114.75,58 1.25,59.5 114.75,59.5 1.25,61 114.75,61 1.25,62.5 114.75,62.5 1.25,64 114.75,64 1.25,65.5 114.75,65.5 1.25,67 114.75,67 1.25,68.5 114.75,68.5 1.25,70 114.75,70 1.25,71.5 114.75,71.5 1.25,73 114.75,73 1.25,74.5 114.75,74.5 1.25,76 114.75,76 1.25,77.5 114.75,77.5 1.25,79 114.75,79 1.25,80.5 114.75,80.5 1.25,82 114.75,82 1.25,83.5 114.75,83.5 1.25,85 114.75,85 1.25,86.5 114.75,86.5 1.25,88 114.75,88 1.25,89.5 114.75,89.5 1.25,91 114.75,91 1.25,92.5 114.75,92.5 1.25,94 114.75,94 1.25,95.5 114.75,95.5 1.25,97 114.75,97 1.25,98.5 114.75,98.5 1.25,100 114.75,100 1.25,101.5 114.75,101.5 1.25,103 114.75,103 1.25,104.5 114.75,104.5 1.25,106 114.75,106 1.25,107.5 114.75,107.5 1.25,109 114.75,109 1.25,110.5 114.75,110.5 1.25,112 114.75,112 1.25,113.5 114.75,113.5 1.25,115 114.75,115 1.25,116.5 114.75,116.5 1.25,118 114.75,118 1.25,119.5 114.75,119.5 1.25,121 114.75,121 1.25,128.5 114.75,128.5 1.25,130 114.75,130 1.25,131.75 2.5,131.75 4,131.75 5.5,131.75 7,131.75 8.5,131.75 10,131.75 11.5,131.75 13,131.75 14.5,131.75 16,131.75 17.5,131.75 19,131.75 20.5,131.75 22,131.75 23.5,131.75 25,131.75 26.5,131.75 28,131.75 29.5,131.75 31,131.75 32.5,131.75 34,131.75 35.5,131.75 37,131.75 38.5,131.75 40,131.75 41.5,131.75 43,131.75 44.5,131.75 46,131.75 47.5,131.75 49,131.75 50.5,131.75 52,131.75 53.5,131.75 55,131.75 56.5,131.75 58,131.75 59.5,131.75 61,131.75 62.5,131.75 64,131.75 65.5,131.75 67,131.75 68.5,131.75 70,131.75 71.5,131.75 73,131.75 74.5,131.75 76,131.75 77.5,131.75 79,131.75 80.5,131.75 82,131.75 83.5,131.75 85,131.75 86.5,131.75 88,131.75 89.5,131.75 91,131.75 92.5,131.75 94,131.75 95.5,131.75 97,131.75 98.5,131.75 100,131.75 101.5,131.75 103,131.75 104.5,131.75 106,131.75 107.5,131.75 109,131.75 110.5,131.75 112,131.75 113.5,131.75 114.75,131.75
  other v3: 8.149,3.224 11.149,3.224 14.149,3.224 17.149,3.224 20.149,3.224 23.149,3.224 26.149,3.224 29.149,3.224 32.149,3.224 35.149,3.224 38.149,3.224 41.149,3.224 44.149,3.224 47.149,3.224 50.149,3.224 53.149,3.224 56.149,3.224 59.149,3.224 62.149,3.224 65.149,3.224 68.149,3.224 71.149,3.224 74.149,3.224 77.149,3.224 80.149,3.224 83.149,3.224 86.149,3.224 89.149,3.224 92.149,3.224 95.149,3.224 98.149,3.224 101.149,3.224 104.149,3.224 107.149,3.224 12.649,6.224 15.649,6.224 30.649,6.224 33.649,6.224 39.649,6.224 42.649,6.224 48.649,6.224 51.649,6.224 57.649,6.224 60.649,6.224 63.649,6.224 66.649,6.224 72.649,6.224 75.649,6.224 78.649,6.224 84.649,6.224 87.649,6.224 90.649,6.224 102.649,6.224 108.649,6.224 41.149,9.224 39.649,12.224 42.649,12.224 75.649,12.224 108.649,12.224 8.149,15.224 11.149,15.224 14.149,15.224 35.149,15.224 38.149,15.224 41.149,15.224 62.149,15.224 65.149,15.224 71.149,15.224 74.149,15.224 77.149,15.224 83.149,15.224 86.149,15.224 72.649,18.224 75.649,18.224 71.149,21.224 74.149,21.224 78.649,24.224 33.649,114.224 51.649,114.224 78.649,114.224 32.149,117.224 35.149,117.224 50.149,117.224 53.149,117.224 80.149,117.224 42.649,120.224 78.649,120.224 26.149,123.224 42.649,126.224
EMU0: J1.100 JTAG.13 | length 12.7
  Top Layer w0.381: J1.100@94.074,79.939 94.074,80.012 102.889,88.827 JTAG.13@102.889,89.027
EMU1: J1.50 JTAG.14 | length 20
  Top Layer w0.381: J1.50@94.074,76.124 98.218,76.124 105.556,83.462 JTAG.14@105.556,88.9
FD: IC4.4 J1.78 | length 24.6
  Top Layer w0.381: IC4.4@61.117,102.475 61.117,96.251 65.475,91.894 65.475,86.513 66.134,85.854 66.134,80.062 J1.78@66.186,80.01
FD_5V: DRIVERS.8 R45.2 | length 12.9
  Top Layer w0.381: R45.2@62.63,113.341 63.601,114.312 64.734,114.312 67.112,116.69 67.112,119.88 67.494,120.262 DRIVERS.8@67.494,123.571
FLT: IC7.12 J1.41 R134.1 | length 61.2
  Top Layer w0.381: R134.1@49.371,98.955 R134.1@49.471,98.955 ; IC7.12@51.53,102.6 51.53,101.014 R134.1@49.471,98.955 ; J1.41@82.644,77.836 82.644,75.174 81.828,74.358 63.624,74.358 62.452,73.187 59.381,73.187 56.343,76.226 56.343,79.628 53.93,82.041 53.93,88.672 50.412,92.189 50.412,98.014 R134.1@49.471,98.955
FLT_5V: IC7.3 R59.1 | length 5.7
  Top Layer w0.381: IC7.3@51.48,108.351 51.515,108.385 51.515,109.359 53.846,111.69 55.127,111.69 R59.1@55.165,111.728
FLT_5V_RAW: DRIVERS.12 R59.2 | length 17.6
  Top Layer w0.381: R59.2@55.165,113.29 55.165,114.395 57.136,116.366 57.39,116.366 v2(57.451,116.427) ; v2@65.833,116.681 65.833,120.883 66.349,121.399 DRIVERS.12@66.349,121.591
  Bottom Layer w0.381: v2(57.451,116.427) v2(65.706,116.427)
GND: R114.1 R115.1 R116.1 R117.1 | length 7.8
  Top Layer w0.381: R117.1@90.697,87.503 90.735,87.541 R116.1@90.735,90.043 90.735,91.186 90.824,91.275 v2(90.824,91.313) ; v2@90.735,91.313 R115.1@90.735,92.583 R114.1@90.735,95.25
GND-ISO: C40.1 J3.3 U1.5 U2.5 | length 4.4
  Top Layer w0.635: U1.5@97.762,110.744 99.52,110.744 v2(100.25,111.474) ; v2(101.774,120.491) 101.774,120.473 101.804,120.443 C40.1@101.804,118.872
  other v3: 95.149,111.224 107.149,111.224 96.649,114.224 99.649,114.224 102.649,114.224 108.649,114.224 95.149,117.224 98.149,117.224 107.149,117.224 96.649,120.224 99.649,120.224 105.649,120.224 108.649,120.224 95.149,123.224 98.149,123.224 101.149,123.224 107.149,123.224 96.649,126.224 102.649,126.224
GND_DRV_RAW: C118.1 DRIVERS.1 DRIVERS.15 L8.3 | length 47.4
  Top Layer w0.762: v2(45.5,112.25) 45.5,113.791 45.25,114.041 45.585,114.376 45.585,115.864 52.193,122.472 52.193,125.106 54.364,127.277 62.333,127.277 DRIVERS.1@64.059,125.551
  Bottom Layer w0.762: v2(45.5,112.25) 45.556,112.306 47.056,112.306 C118.1@47.25,112.5 ; DRIVERS.1@64,125.5 64.008,125.5 DRIVERS.1@64.059,125.551 65.293,126.785 73.73,126.785 74.453,126.062 74.453,122.928 73.219,121.694 DRIVERS.15@73.219,121.591
HS1: IC5.4 J1.23 TP_HS1.1 | length 45.9
  Top Layer w0.381: v2(58.848,96.742) 58.787,96.803 57.939,96.803 57.746,96.996 57.391,96.996 56.991,96.596 56.991,82.931 59.784,80.138 J1.23@59.784,78.029 ; IC5.4@69.245,102.475 69.245,101.081 69.47,100.856 69.47,97.29 69.262,97.082 v2(69.262,96.996)
  Bottom Layer w0.381: v2(58.848,96.742) 67.899,96.742 67.913,96.729 68.908,96.729 69.176,96.996 v2(69.262,96.996) ; TP_HS1.1@59.658,70.215 59.744,70.301 59.744,77.989 J1.23@59.784,78.029
HS2: IC6.2 J1.24 TP_HS2.1 | length 54.3
  Top Layer w0.381: v2(58.848,98.056) 58.762,98.056 58.333,98.484 57.736,98.484 56.432,97.18 56.432,82.699 58.578,80.554 58.578,77.529 59.284,76.822 60.005,76.822 60.704,76.124 J1.24@61.054,76.124 ; v2(75.076,99.358) 75.076,99.441 76.928,101.293 76.928,102.182 IC6.2@76.981,102.235
  Bottom Layer w0.381: v2(58.848,98.056) 67.35,98.056 67.509,98.215 73.934,98.215 v2(75.076,99.358) ; J1.24@60.928,76.184 J1.24@61.021,76.091 ; J1.24@61.054,76.124 61.054,71.853 TP_HS2.1@62.879,70.028 62.946,69.961 TP_HS2.1@62.96,69.961
HS_1_5V: DRIVERS.13 R50.2 | length 17.3
  Top Layer w0.381: DRIVERS.13@68.639,121.591 68.639,124.076 69.178,124.614 70.346,124.614 70.913,124.047 70.913,123.257 71.972,122.197 71.972,118.785 70.134,116.947 R50.2@70.134,113.325 ; R50.2@70.134,113.284 R50.2@70.25,113.284
HS_2_5V: DRIVERS.10 R56.2 | length 12
  Top Layer w0.381: DRIVERS.10@72.074,123.571 72.163,123.571 73,122.734 73.77,122.734 74.422,122.082 74.422,118.097 73.968,117.643 73.968,115.601 73.944,115.577 R56.2@73.944,113.225
IAC: C113.2 J1.65 R16.1 R17.1 R53.1 TP_IAC.1 U9.1 | length 144.7
  Top Layer w0.381: TP_IAC.1@31.972,62.214 32.088,62.33 v2@32.088,64.511 ; v2(32.099,64.5) 29.994,66.605 29.994,81.53 33.19,84.727 41.661,84.727 J1.65@44.544,81.844 ; v2(44.291,64.373) 53.562,64.373 64.849,53.086 85.391,53.086 ; 85.391,53.054 89.985,48.46 104.113,48.46 105.457,47.116 105.457,42.562 R53.1@104.386,41.491 ; U9.1@99.533,29.178 R17.1@101.647,29.178 ; C113.2@100.669,26.638 100.669,28.2 R17.1@101.393,28.924 ; R17.1@101.52,29.051 R17.1@101.602,28.969 ; R17.1@101.774,29.178 103.108,29.178 R16.1@103.235,29.051 ; R16.1@103.171,28.936 103.171,28.988 103.235,29.051 103.354,29.171 104.218,29.171 104.441,29.394 104.441,30.321 105.33,31.21 105.33,40.481 104.596,41.215 104.596,41.281 R53.1@104.386,41.491 ; R53.1@104.286,41.491 R53.1@104.386,41.491
  Bottom Layer w0.381: v2(32.099,64.5) 44.078,64.5 44.205,64.373 v2(44.291,64.373)
IAC_AO+: C85.1 D8.1 R15.1 R19.2 R21.2 U9.3 | length 15.7
  Top Layer w0.381: R21.2@97.075,25.114 97.075,28.162 97.456,28.543 97.456,30.829 98.155,31.528 ; D8.1@98.071,35.467 98.071,31.611 98.091,31.591 ; 98.345,31.718 U9.3@99.279,31.718 99.971,31.718 100.237,31.984 101.774,31.984 R15.1@103.171,31.984
IAC_AO-: C113.1 D8.3 R16.2 R17.2 R55.2 U9.2 | length 23.4
  Top Layer w0.381: D8.3@98.071,37.367 99.3,37.367 99.361,37.306 102.79,37.306 104.365,35.731 104.365,31.416 103.467,30.519 103.467,30.478 R16.2@103.425,30.436 ; 98.847,27.902 98.091,28.657 98.091,30.225 98.314,30.448 99.533,30.448 99.539,30.442 101.774,30.442 R16.2@103.304,30.442 ; C113.1@98.853,26.384 98.924,26.384 98.98,26.328 R55.2@98.98,25.025 ; 98.853,27.902 98.853,26.854 C113.1@99.069,26.638
IAC_ref_sns: AC_OUTPUT_AN.4 R55.1 | length 13.7
  Top Layer w0.381: AC_OUTPUT_AN.4@95.81,11 95.81,11.141 98.98,14.311 R55.1@98.98,23.425
IAC_SNS: AC_OUTPUT_AN.3 R21.1 | length 14.3
  Top Layer w0.381: AC_OUTPUT_AN.3@93.04,11 97.075,15.035 R21.1@97.075,23.59
IBRDG: C22.2 J1.57 R6.1 R8.1 R41.1 TP_IBRDG.1 U5.7 | length 78.6
  Top Layer w0.381: v2(33.369,72.628) 33.369,76.314 32.912,76.771 32.912,80.372 J1.57@34.384,81.844 ; v2(39.592,72.628) 39.592,72.542 39.798,72.336 39.798,65.056 40.503,64.351 40.503,57.202 41.091,56.615 41.091,52.384 41.421,52.054 41.421,39.215 43.047,37.589 R41.1@43.147,37.589 ; 41.497,52.054 TP_IBRDG.1@43.529,52.054 ; R41.1@43.371,37.465 46.013,34.823 49.524,34.823 50.184,34.163 50.184,29.815 47.839,27.47 U5.7@47.839,27.032 47.973,26.898 47.973,26.087 48.918,25.142 48.918,24.352 48.918,23.844 48.918,22.955 ; C22.2@48.307,20.607 48.407,20.607 48.607,20.807 48.607,20.907 48.853,21.153 48.853,22.066 48.853,22.828 48.853,22.866 48.942,22.955
  Bottom Layer w0.381: v2(33.369,72.628) v2(39.592,72.628) ; J1.57@34.384,81.844 J1.57@34.384,82.159
IBRDG+_AO+: C25.2 D7.6 R9.1 R10.1 R11.2 U5.5 | length 12
  Top Layer w0.381: C25.2@43.354,19.207 C25.2@43.366,19.195 ; D7.6@43.387,28.341 43.387,28.016 44.257,27.146 U5.5@45.386,27.146 ; C25.2@43.493,19.195 44.928,19.195 R9.1@44.96,19.228 ; R11.2@44.993,22.193 45.164,22.364 45.164,23.844 45.164,26.797 U5.5@45.349,26.982 ; R11.2@44.999,22.072 44.999,19.189 R9.1@45.005,19.183
IBRDG+_SNS: DC_AC_INPUT_AN.6 R9.2 | length 13.9
  Top Layer w0.381: R9.2@45.132,17.621 45.005,17.494 45.005,15.843 51.609,9.239 52.806,9.239 DC_AC_INPUT_AN.6@53.885,8.16
IBRDG-_AO-: C22.1 D7.4 R6.2 R7.1 R8.2 U5.6 | length 16.5
  Top Layer w0.381: D7.4@41.487,28.341 41.487,28.666 41.769,28.948 41.769,29.119 41.984,29.334 44.704,29.334 46.529,27.51 U5.6@46.529,27.4 ; U5.6@46.529,27.019 46.529,26.635 47.303,25.861 R8.2@47.303,24.352 ; R7.1@46.656,19.183 46.668,19.195 R7.1@46.768,19.195 ; R6.2@47.253,22.739 47.253,22.066 47.253,19.78 46.966,19.493 46.966,19.393 R7.1@46.768,19.195 ; 47.278,22.853 47.278,23.844 R8.2@47.278,24.352 ; C22.1@48.307,19.145 48.257,19.195 R7.1@46.768,19.195
IBRDG-_SNS: DC_AC_INPUT_AN.2 R7.2 | length 11.4
  Top Layer w0.381: R7.2@46.346,17.481 R7.2@46.386,17.521 ; R7.2@46.656,17.621 46.694,17.583 48.687,17.583 DC_AC_INPUT_AN.2@55.27,11
IIN: C18.1 J1.9 R26.1 R38.1 TP_IIN.1 U7.7 | length 73.7
  Top Layer w0.381: C18.1@19.224,20.542 19.351,20.669 19.351,23.692 19.808,24.149 ; R38.1@22.399,30.256 R38.1@22.207,30.448 ; R38.1@22.488,30.448 R38.1@22.207,30.448 ; R26.1@22.945,24.506 22.156,23.717 20.24,23.717 19.808,24.149 ; R26.1@23.072,24.435 23.282,24.225 U7.7@24.431,24.225 ; TP_IIN.1@31.873,55.372 30.308,53.807 26.457,53.807 21.702,49.052 21.702,41.902 21.764,41.84 21.764,34.69 20.977,33.902 20.977,30.727 21.256,30.448 ; TP_IIN.1@32,55.499 36.924,60.423 J1.9@36.924,77.926 ; 19.808,24.149 19.808,29 21.256,30.448 ; 21.256,30.448 R38.1@22.207,30.448
Iin+_AO+: C21.1 D6.6 R29.2 R30.2 U7.5 | length 17.7
  Top Layer w0.381: R30.2@22.945,26.638 23.009,26.702 U7.5@24.876,26.702 ; C21.1@24.368,18.828 22.551,18.828 R29.2@22.526,18.802 22.526,20.298 23.524,21.296 25.864,21.296 26.717,22.149 26.717,25.749 25.836,26.631 25.455,26.631 25.32,26.765 26.102,27.547 D6.6@26.102,28.482
IIN+_SNS: DC_INPUT_AN.3 R29.1 | length 6.3
  Top Layer w0.381: R29.1@22.526,17.113 22.526,14.405 23.04,13.891 DC_INPUT_AN.3@23.04,11
Iin-_AO-: C18.2 D6.4 R26.2 R27.2 U7.6 | length 26.5
  Top Layer w0.381: C18.2@19.351,18.853 19.376,18.828 R27.2@20.685,18.828 ; R27.2@20.875,18.802 20.975,18.802 21.967,19.794 21.967,20.529 23.302,21.864 23.617,21.864 23.626,21.855 25.402,21.855 26.025,22.477 26.025,24.802 25.331,25.495 U7.6@24.894,25.495 ; R26.2@21.345,24.606 R26.2@21.345,24.706 ; U7.6@24.685,25.495 22.134,25.495 R26.2@21.345,24.706 ; D6.4@26.102,30.382 25.993,30.273 25.333,30.273 24.493,29.432 21.637,29.432 20.367,28.162 20.367,25.684 R26.2@21.345,24.706
IIN-_SNS: DC_INPUT_AN.7 R27.1 | length 9.7
  Top Layer w0.381: R27.1@20.875,17.202 20.975,17.202 21.185,16.992 21.185,16.892 21.655,16.422 DC_INPUT_AN.7@21.655,8.16 21.655,8.114 DC_INPUT_AN.7@21.637,8.096 ; DC_INPUT_AN.7@21.558,7.883 DC_INPUT_AN.7@21.558,8.096
Iin_TR: C63.1 IC16.2 R63.1 | length 8.7
  Top Layer w0.381: C63.1@22.907,35.274 C63.1@22.907,35.332 R63.1@22.907,36.81 24.673,36.81 26.054,35.429 IC16.2@26.054,32.004
Iin_Trp: IC16.1 U10.4 | length 17.7
  Top Layer w0.381: v2(14.065,43.037) 14.091,43.011 14.091,41.382 U10.4@14.116,41.357 ; IC16.1@24.685,32.562 IC16.1@24.82,32.427 ; IC16.1@24.685,32.777 v2(24.685,34.385)
  Bottom Layer w0.381: v2(14.065,43.037) 22.463,34.639 24.345,34.639 24.599,34.385 v2(24.685,34.385)